# Altium PCB amp.PcbDoc (part 19 of 20)
Units mm, origin at the board's own origin, x right, y up, seen from the top; angles counter-clockwise.
Board outline 210 x 210 mm, 2 copper layers (Top Layer, Bottom Layer); 742 components, 1354 nets, 6402 pads, 5154 vias.
Unrouted connection lines stored in the file: 702.
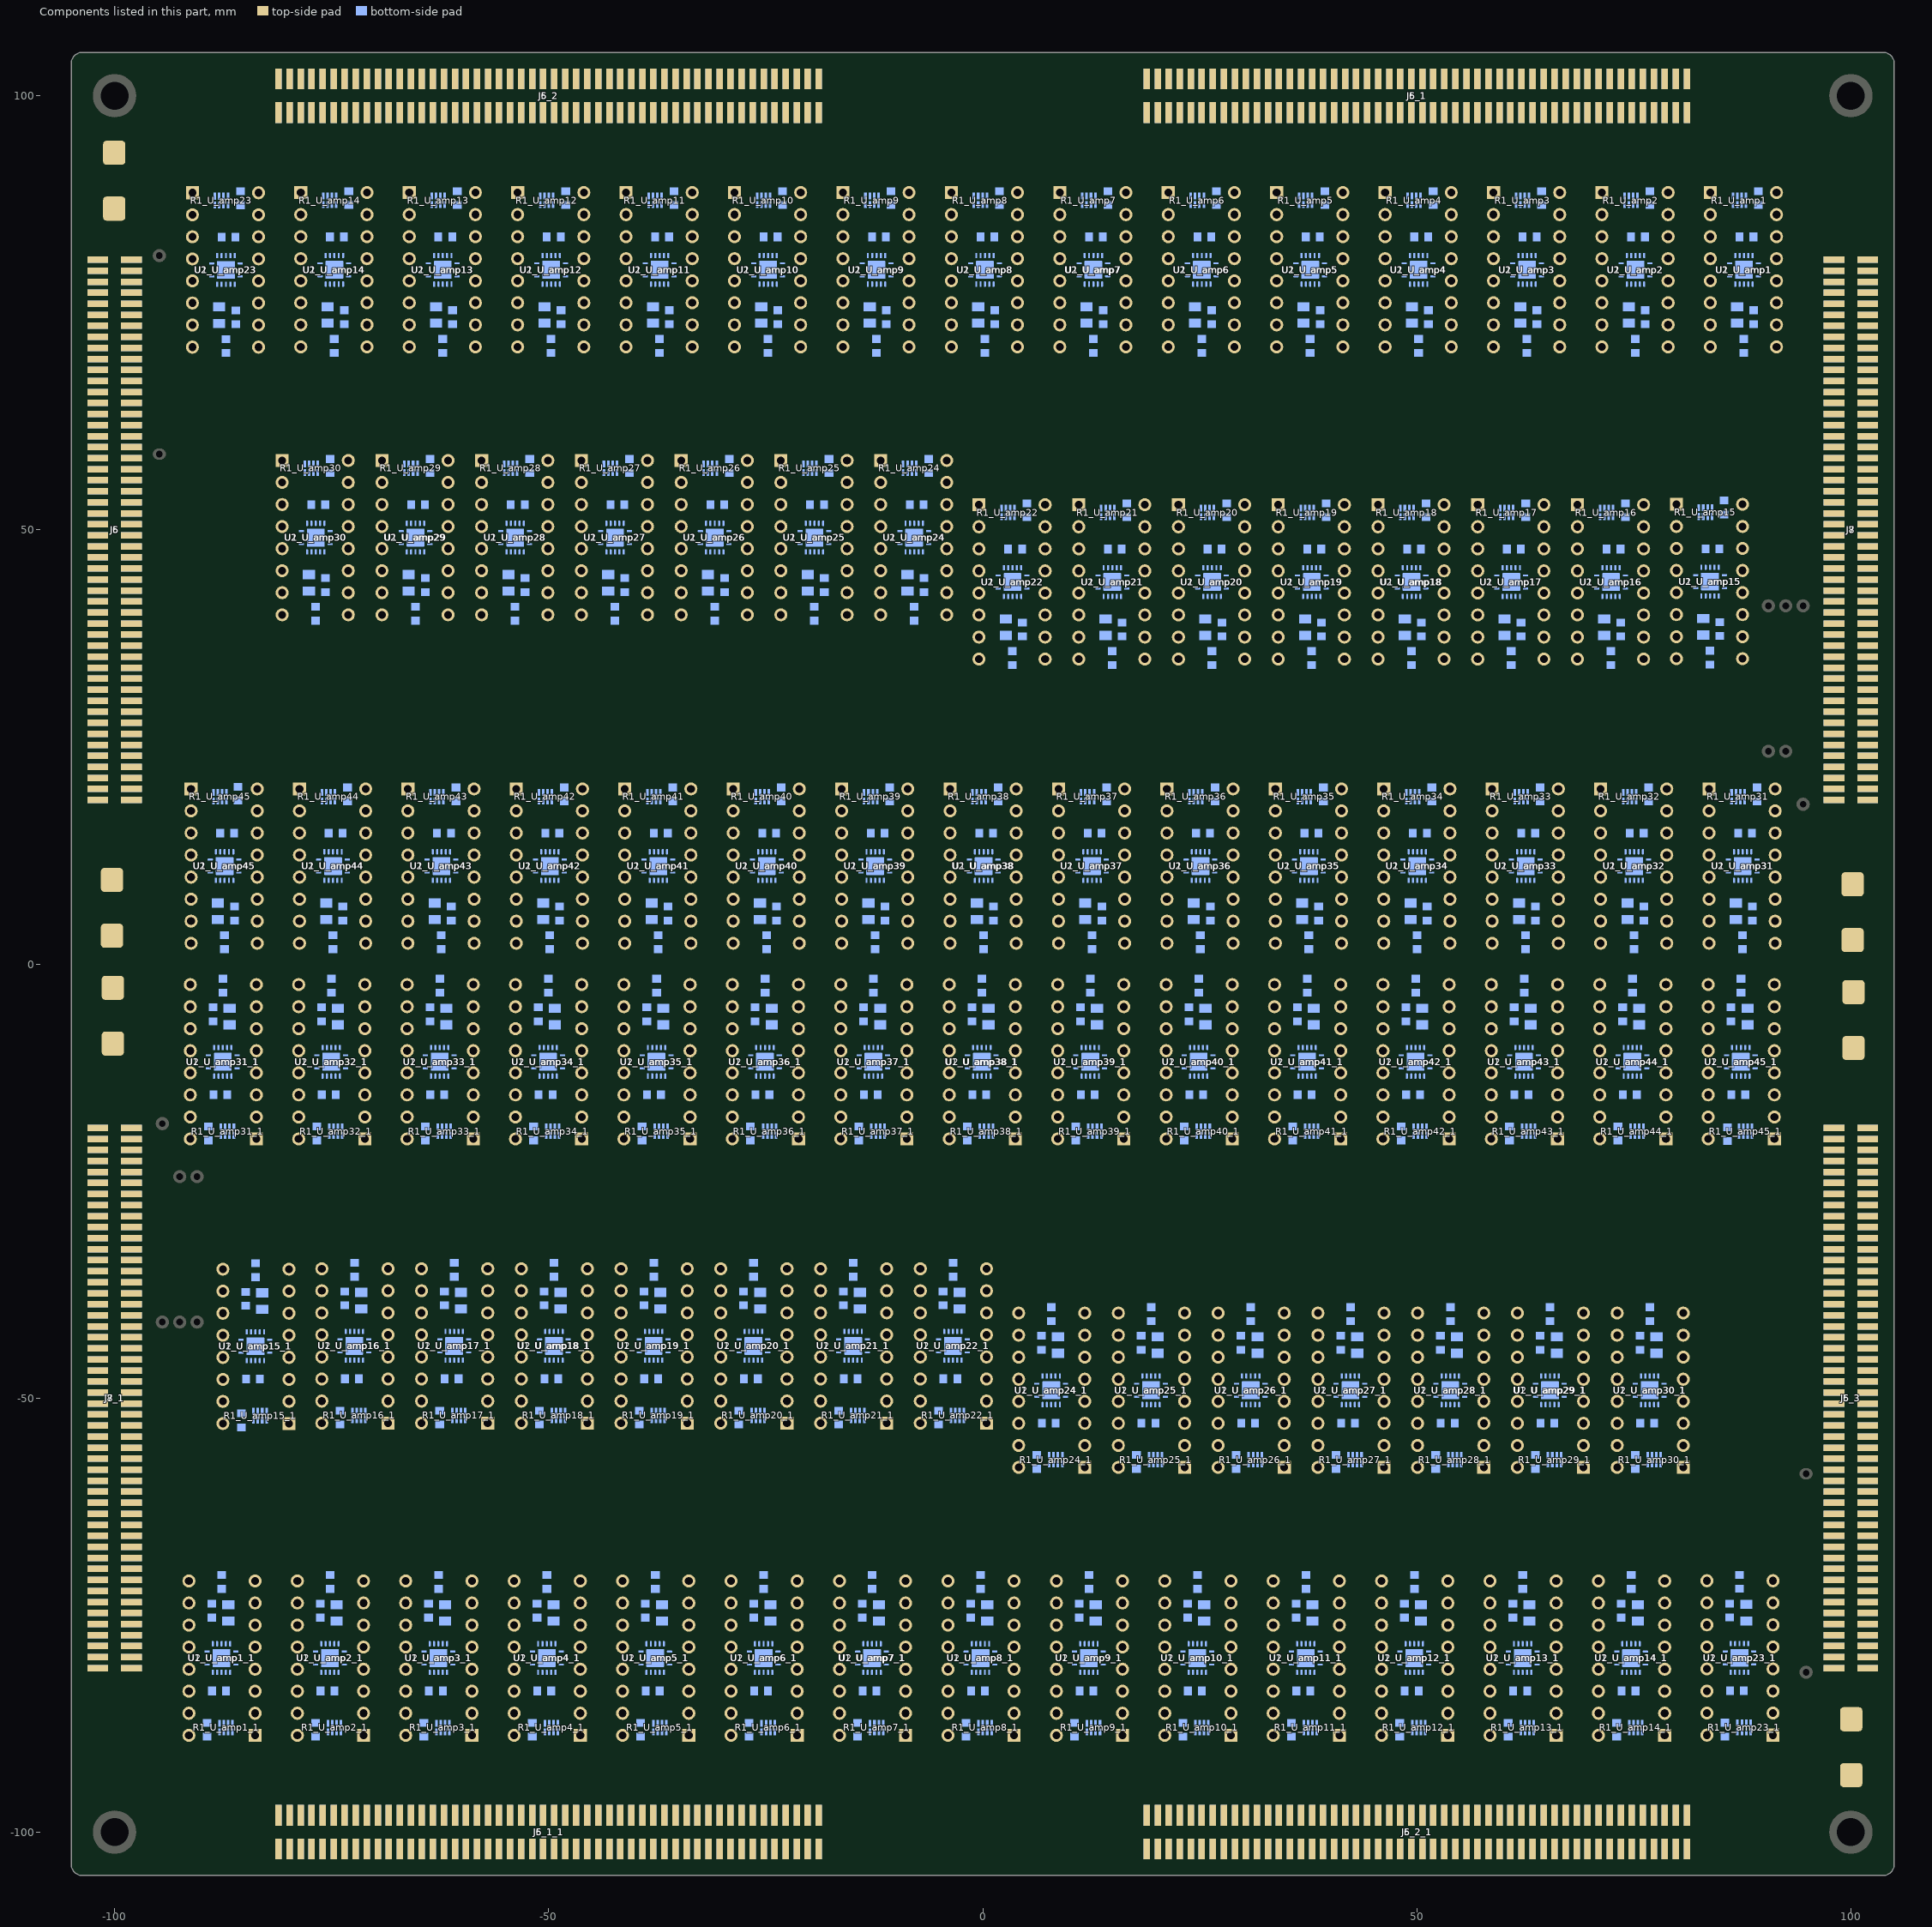
[diagram p19: the components of this part, seen from the top]

## Via types
v1: diameter 0.6, hole 0.3, Top Layer to Bottom Layer, tented both sides, 4704 vias
v2: diameter 0.5, hole 0.3, Top Layer to Bottom Layer, 450 vias

## Nets (pads, with @x,y where several pads share a name; then routed paths per layer and width w, separated by ;. In a path a pad name is that pad's centre, name@x,y a point inside that pad or via, vN(x,y) a via of type N, cw(c..) or ccw(c..) an arc to the next point about the centre after c; other vN are vias at no path point) (continued)
pads on no net: J5_1.1 J5_1.2 J5_1.3 J5_1.4 J5_1.5 J5_1.6 J5_1.7 J5_1.8 J5_1.9 J5_1.10 J5_1.11 J5_1.12 J5_1.13 J5_1.14 J5_1.15 J5_1.16 J5_1.17 J5_1.18 J5_1.19 J5_1.20 J5_1.21 J5_1.22 J5_1.23 J5_1.24 J5_1.25 J5_1.26 J5_1.27 J5_1.28 J5_1.29 J5_1.30 J5_1.31 J5_1.32 J5_1.33 J5_1.34 J5_1.35 J5_1.36 J5_1.37 J5_1.38 J5_1.39 J5_1.40 J5_1.41 J5_1.42 J5_1.43 J5_1.44 J5_1.45 J5_1.46 J5_1.47 J5_1.48 J5_1.49 J5_1.50 J5_1.51 J5_1.52 J5_1.53 J5_1.54 J5_1.55 J5_1.56 J5_1.57 J5_1.58 J5_1.59 J5_1.60 J5_1.61 J5_1.62 J5_1.63 J5_1.64 J5_1.65 J5_1.66 J5_1.67 J5_1.68 J5_1.69 J5_1.70 J5_1.71 J5_1.72 J5_1.73 J5_1.74 J5_1.75 J5_1.76 J5_1.77 J5_1.78 J5_1.79 J5_1.80 J5_1.81 J5_1.82 J5_1.83 J5_1.84 J5_1.85 J5_1.86 J5_1.87 J5_1.88 J5_1.89 J5_1.90 J5_1.91 J5_1.92 J5_1.93 J5_1.94 J5_1.95 J5_1.96 J5_1.97 J5_1.98 J5_1.99 J5_1.100 J5_1_1.1 J5_1_1.2 J5_1_1.3 J5_1_1.4 J5_1_1.5 J5_1_1.6 J5_1_1.7 J5_1_1.8 J5_1_1.9 J5_1_1.10 J5_1_1.11 J5_1_1.12 J5_1_1.13 J5_1_1.14 J5_1_1.15 J5_1_1.16 J5_1_1.17 J5_1_1.18 J5_1_1.19 J5_1_1.20 J5_1_1.21 J5_1_1.22 J5_1_1.23 J5_1_1.24 J5_1_1.25 J5_1_1.26 J5_1_1.27 J5_1_1.28 J5_1_1.29 J5_1_1.30 J5_1_1.31 J5_1_1.32 J5_1_1.33 J5_1_1.34 J5_1_1.35 J5_1_1.36 J5_1_1.37 J5_1_1.38 J5_1_1.39 J5_1_1.40 J5_1_1.41 J5_1_1.42 J5_1_1.43 J5_1_1.44 J5_1_1.45 J5_1_1.46 J5_1_1.47 J5_1_1.48 J5_1_1.49 J5_1_1.50 J5_1_1.51 J5_1_1.52 J5_1_1.53 J5_1_1.54 J5_1_1.55 J5_1_1.56 J5_1_1.57 J5_1_1.58 J5_1_1.59 J5_1_1.60 J5_1_1.61 J5_1_1.62 J5_1_1.63 J5_1_1.64 J5_1_1.65 J5_1_1.66 J5_1_1.67 J5_1_1.68 J5_1_1.69 J5_1_1.70 J5_1_1.71 J5_1_1.72 J5_1_1.73 J5_1_1.74 J5_1_1.75 J5_1_1.76 J5_1_1.77 J5_1_1.78 J5_1_1.79 J5_1_1.80 J5_1_1.81 J5_1_1.82 J5_1_1.83 J5_1_1.84 J5_1_1.85 J5_1_1.86 J5_1_1.87 J5_1_1.88 J5_1_1.89 J5_1_1.90 J5_1_1.91 J5_1_1.92 J5_1_1.93 J5_1_1.94 J5_1_1.95 J5_1_1.96 J5_1_1.97 J5_1_1.98 J5_1_1.99 J5_1_1.100 J5_2.1 J5_2.2 J5_2.3 J5_2.4 J5_2.5 J5_2.6 J5_2.7 J5_2.8 J5_2.9 J5_2.10 J5_2.11 J5_2.12 J5_2.13 J5_2.14 J5_2.15 J5_2.16 J5_2.17 J5_2.18 J5_2.19 J5_2.20 J5_2.21 J5_2.22 J5_2.23 J5_2.24 J5_2.25 J5_2.26 J5_2.27 J5_2.28 J5_2.29 J5_2.30 J5_2.31 J5_2.32 J5_2.33 J5_2.34 J5_2.35 J5_2.36 J5_2.37 J5_2.38 J5_2.39 J5_2.40 J5_2.41 J5_2.42 J5_2.43 J5_2.44 J5_2.45 J5_2.46 J5_2.47 J5_2.48 J5_2.49 J5_2.50 J5_2.51 J5_2.52 J5_2.53 J5_2.54 J5_2.55 J5_2.56 J5_2.57 J5_2.58 J5_2.59 J5_2.60 J5_2.61 J5_2.62 J5_2.63 J5_2.64 J5_2.65 J5_2.66 J5_2.67 J5_2.68 J5_2.69 J5_2.70 J5_2.71 J5_2.72 J5_2.73 J5_2.74 J5_2.75 J5_2.76 J5_2.77 J5_2.78 J5_2.79 J5_2.80 J5_2.81 J5_2.82 J5_2.83 J5_2.84 J5_2.85 J5_2.86 J5_2.87 J5_2.88 J5_2.89 J5_2.90 J5_2.91 J5_2.92 J5_2.93 J5_2.94 J5_2.95 J5_2.96 J5_2.97 J5_2.98 J5_2.99 J5_2.100 J5_2_1.1 J5_2_1.2 J5_2_1.3 J5_2_1.4 J5_2_1.5 J5_2_1.6 J5_2_1.7 J5_2_1.8 J5_2_1.9 J5_2_1.10 J5_2_1.11 J5_2_1.12 J5_2_1.13 J5_2_1.14 J5_2_1.15 J5_2_1.16 J5_2_1.17 J5_2_1.18 J5_2_1.19 J5_2_1.20 J5_2_1.21 J5_2_1.22 J5_2_1.23 J5_2_1.24 J5_2_1.25 J5_2_1.26 J5_2_1.27 J5_2_1.28 J5_2_1.29 J5_2_1.30 J5_2_1.31 J5_2_1.32 J5_2_1.33 J5_2_1.34 J5_2_1.35 J5_2_1.36 J5_2_1.37 J5_2_1.38 J5_2_1.39 J5_2_1.40 J5_2_1.41 J5_2_1.42 J5_2_1.43 J5_2_1.44 J5_2_1.45 J5_2_1.46 J5_2_1.47 J5_2_1.48 J5_2_1.49 J5_2_1.50 J5_2_1.51 J5_2_1.52 J5_2_1.53 J5_2_1.54 J5_2_1.55 J5_2_1.56 J5_2_1.57 J5_2_1.58 J5_2_1.59 J5_2_1.60 J5_2_1.61 J5_2_1.62 J5_2_1.63 J5_2_1.64 J5_2_1.65 J5_2_1.66 J5_2_1.67 J5_2_1.68 J5_2_1.69 J5_2_1.70 J5_2_1.71 J5_2_1.72 J5_2_1.73 J5_2_1.74 J5_2_1.75 J5_2_1.76 J5_2_1.77 J5_2_1.78 J5_2_1.79 J5_2_1.80 J5_2_1.81 J5_2_1.82 J5_2_1.83 J5_2_1.84 J5_2_1.85 J5_2_1.86 J5_2_1.87 J5_2_1.88 J5_2_1.89 J5_2_1.90 J5_2_1.91 J5_2_1.92 J5_2_1.93 J5_2_1.94 J5_2_1.95 J5_2_1.96 J5_2_1.97 J5_2_1.98 J5_2_1.99 J5_2_1.100 J6_1.1 J6_1.2 J6_1.3 J6_1.4 J6_1.5 J6_1.6 J6_1.7 J6_1.8 J6_1.9 J6_1.10 J6_1.11 J6_1.12 J6_1.13 J6_1.14 J6_1.15 J6_1.16 J6_1.17 J6_1.18 J6_1.19 J6_1.20 J6_1.21 J6_1.22 J6_1.23 J6_1.24 J6_1.25 J6_1.26 J6_1.27 J6_1.28 J6_1.29 J6_1.30 J6_1.31 J6_1.32 J6_1.33 J6_1.34 J6_1.35 J6_1.36 J6_1.37 J6_1.38 J6_1.39 J6_1.40 J6_1.41 J6_1.42 J6_1.43 J6_1.44 J6_1.45 J6_1.46 J6_1.47 J6_1.48 J6_1.49 J6_1.50 J6_1.51 J6_1.52 J6_1.53 J6_1.54 J6_1.55 J6_1.56 J6_1.57 J6_1.58 J6_1.59 J6_1.60 J6_1.61 J6_1.62 J6_1.63 J6_1.64 J6_1.65 J6_1.66 J6_1.67 J6_1.68 J6_1.69 J6_1.70 J6_1.71 J6_1.72 J6_1.73 J6_1.74 J6_1.75 J6_1.76 J6_1.77 J6_1.78 J6_1.79 J6_1.80 J6_1.81 J6_1.82 J6_1.83 J6_1.84 J6_1.85 J6_1.86 J6_1.87 J6_1.88 J6_1.89 J6_1.90 J6_1.91 J6_1.92 J6_1.93 J6_1.94 J6_1.95 J6_1.96 J6_1.97 J6_1.98 J6_1.99 J6_1.100 J6_1_1.1 J6_1_1.2 J6_1_1.3 J6_1_1.4 J6_1_1.5 J6_1_1.6 J6_1_1.7 J6_1_1.8 J6_1_1.9 J6_1_1.10 J6_1_1.11 J6_1_1.12 J6_1_1.13 J6_1_1.14 J6_1_1.15 J6_1_1.16 J6_1_1.17 J6_1_1.18 J6_1_1.19 J6_1_1.20 J6_1_1.21 J6_1_1.22 J6_1_1.23 J6_1_1.24 J6_1_1.25 J6_1_1.26 J6_1_1.27 J6_1_1.28 J6_1_1.29 J6_1_1.30 J6_1_1.31 J6_1_1.32 J6_1_1.33 J6_1_1.34 J6_1_1.35 J6_1_1.36 J6_1_1.37 J6_1_1.38 J6_1_1.39 J6_1_1.40 J6_1_1.41 J6_1_1.42 J6_1_1.43 J6_1_1.44 J6_1_1.45 J6_1_1.46 J6_1_1.47 J6_1_1.48 J6_1_1.49 J6_1_1.50 J6_1_1.51 J6_1_1.52 J6_1_1.53 J6_1_1.54 J6_1_1.55 J6_1_1.56 J6_1_1.57 J6_1_1.58 J6_1_1.59 J6_1_1.60 J6_1_1.61 J6_1_1.62 J6_1_1.63 J6_1_1.64 J6_1_1.65 J6_1_1.66 J6_1_1.67 J6_1_1.68 J6_1_1.69 J6_1_1.70 J6_1_1.71 J6_1_1.72 J6_1_1.73 J6_1_1.74 J6_1_1.75 J6_1_1.76 J6_1_1.77 J6_1_1.78 J6_1_1.79 J6_1_1.80 J6_1_1.81 J6_1_1.82 J6_1_1.83 J6_1_1.84 J6_1_1.85 J6_1_1.86 J6_1_1.87 J6_1_1.88 J6_1_1.89 J6_1_1.90 J6_1_1.91 J6_1_1.92 J6_1_1.93 J6_1_1.94 J6_1_1.95 J6_1_1.96 J6_1_1.97 J6_1_1.98 J6_1_1.99 J6_1_1.100 J6_2.1 J6_2.2 J6_2.3 J6_2.4 J6_2.5 J6_2.6 J6_2.7 J6_2.8 J6_2.9 J6_2.10 J6_2.11 J6_2.12 J6_2.13 J6_2.14 J6_2.15 J6_2.16 J6_2.17 J6_2.18 J6_2.19 J6_2.20 J6_2.21 J6_2.22 J6_2.23 J6_2.24 J6_2.25 J6_2.26 J6_2.27 J6_2.28 J6_2.29 J6_2.30 J6_2.31 J6_2.32 J6_2.33 J6_2.34 J6_2.35 J6_2.36 J6_2.37 J6_2.38 J6_2.39 J6_2.40 J6_2.41 J6_2.42 J6_2.43 J6_2.44 J6_2.45 J6_2.46 J6_2.47 J6_2.48 J6_2.49 J6_2.50 J6_2.51 J6_2.52 J6_2.53 J6_2.54 J6_2.55 J6_2.56 J6_2.57 J6_2.58 J6_2.59 J6_2.60 J6_2.61 J6_2.62 J6_2.63 J6_2.64 J6_2.65 J6_2.66 J6_2.67 J6_2.68 J6_2.69 J6_2.70 J6_2.71 J6_2.72 J6_2.73 J6_2.74 J6_2.75 J6_2.76 J6_2.77 J6_2.78 J6_2.79 J6_2.80 J6_2.81 J6_2.82 J6_2.83 J6_2.84 J6_2.85 J6_2.86 J6_2.87 J6_2.88 J6_2.89 J6_2.90 J6_2.91 J6_2.92 J6_2.93 J6_2.94 J6_2.95 J6_2.96 J6_2.97 J6_2.98 J6_2.99 J6_2.100 J6_2_1.1 J6_2_1.2 J6_2_1.3 J6_2_1.4 J6_2_1.5 J6_2_1.6 J6_2_1.7 J6_2_1.8 J6_2_1.9 J6_2_1.10 J6_2_1.11 J6_2_1.12 J6_2_1.13 J6_2_1.14 J6_2_1.15 J6_2_1.16 J6_2_1.17 J6_2_1.18 J6_2_1.19 J6_2_1.20 J6_2_1.21 J6_2_1.22 J6_2_1.23 J6_2_1.24 J6_2_1.25 J6_2_1.26 J6_2_1.27 J6_2_1.28 J6_2_1.29 J6_2_1.30 J6_2_1.31 J6_2_1.32 J6_2_1.33 J6_2_1.34 J6_2_1.35 J6_2_1.36 J6_2_1.37 J6_2_1.38 J6_2_1.39 J6_2_1.40 J6_2_1.41 J6_2_1.42 J6_2_1.43 J6_2_1.44 J6_2_1.45 J6_2_1.46 J6_2_1.47 J6_2_1.48 J6_2_1.49 J6_2_1.50 J6_2_1.51 J6_2_1.52 J6_2_1.53 J6_2_1.54 J6_2_1.55 J6_2_1.56 J6_2_1.57 J6_2_1.58 J6_2_1.59 J6_2_1.60 J6_2_1.61 J6_2_1.62 J6_2_1.63 J6_2_1.64 J6_2_1.65 J6_2_1.66 J6_2_1.67 J6_2_1.68 J6_2_1.69 J6_2_1.70 J6_2_1.71 J6_2_1.72 J6_2_1.73 J6_2_1.74 J6_2_1.75 J6_2_1.76 J6_2_1.77 J6_2_1.78 J6_2_1.79 J6_2_1.80 J6_2_1.81 J6_2_1.82 J6_2_1.83 J6_2_1.84 J6_2_1.85 J6_2_1.86 J6_2_1.87 J6_2_1.88 J6_2_1.89 J6_2_1.90 J6_2_1.91 J6_2_1.92 J6_2_1.93 J6_2_1.94 J6_2_1.95 J6_2_1.96 J6_2_1.97 J6_2_1.98 J6_2_1.99 J6_2_1.100 U1_U_amp1.15@87.127,79.395 U1_U_amp1.15@87.127,80.515 U1_U_amp1.15@88.248,79.395 U1_U_amp1.15@88.248,80.515 U1_U_amp1_1.15@-87.127,-79.395 U1_U_amp1_1.15@-87.127,-80.515 U1_U_amp1_1.15@-88.248,-79.395 U1_U_amp1_1.15@-88.248,-80.515 U1_U_amp2.15@74.637,79.395 U1_U_amp2.15@74.637,80.515 U1_U_amp2.15@75.757,79.395 U1_U_amp2.15@75.757,80.515 U1_U_amp2_1.15@-74.637,-79.395 U1_U_amp2_1.15@-74.637,-80.515 U1_U_amp2_1.15@-75.757,-79.395 U1_U_amp2_1.15@-75.757,-80.515 U1_U_amp3.15@62.147,79.395 U1_U_amp3.15@62.147,80.515 U1_U_amp3.15@63.267,79.395 U1_U_amp3.15@63.267,80.515 U1_U_amp3_1.15@-62.147,-79.395 U1_U_amp3_1.15@-62.147,-80.515 U1_U_amp3_1.15@-63.267,-79.395 U1_U_amp3_1.15@-63.267,-80.515 U1_U_amp4.15@49.657,79.395 U1_U_amp4.15@49.657,80.515 U1_U_amp4.15@50.777,79.395 U1_U_amp4.15@50.777,80.515 U1_U_amp4_1.15@-49.657,-79.395 U1_U_amp4_1.15@-49.657,-80.515 U1_U_amp4_1.15@-50.777,-79.395 U1_U_amp4_1.15@-50.777,-80.515 U1_U_amp5.15@37.167,79.395 U1_U_amp5.15@37.167,80.515 U1_U_amp5.15@38.287,79.395 U1_U_amp5.15@38.287,80.515 U1_U_amp5_1.15@-37.167,-79.395 U1_U_amp5_1.15@-37.167,-80.515 U1_U_amp5_1.15@-38.287,-79.395 U1_U_amp5_1.15@-38.287,-80.515 U1_U_amp6.15@24.676,79.395 U1_U_amp6.15@24.676,80.515 U1_U_amp6.15@25.796,79.395 U1_U_amp6.15@25.796,80.515 U1_U_amp6_1.15@-24.676,-79.395 U1_U_amp6_1.15@-24.676,-80.515 U1_U_amp6_1.15@-25.796,-79.395 U1_U_amp6_1.15@-25.796,-80.515 U1_U_amp7.15@12.186,79.395 U1_U_amp7.15@12.186,80.515 U1_U_amp7.15@13.306,79.395 U1_U_amp7.15@13.306,80.515 U1_U_amp7_1.15@-12.186,-79.395 U1_U_amp7_1.15@-12.186,-80.515 U1_U_amp7_1.15@-13.306,-79.395 U1_U_amp7_1.15@-13.306,-80.515 U1_U_amp8.15@0.816,79.395 U1_U_amp8.15@0.816,80.515 U1_U_amp8.15@-0.304,79.395 U1_U_amp8.15@-0.304,80.515 U1_U_amp8_1.15@0.304,-79.395 U1_U_amp8_1.15@0.304,-80.515 U1_U_amp8_1.15@-0.816,-79.395 U1_U_amp8_1.15@-0.816,-80.515 U1_U_amp9.15@-11.674,79.395 U1_U_amp9.15@-11.674,80.515 U1_U_amp9.15@-12.794,79.395 U1_U_amp9.15@-12.794,80.515 U1_U_amp9_1.15@11.674,-79.395 U1_U_amp9_1.15@11.674,-80.515 U1_U_amp9_1.15@12.794,-79.395 U1_U_amp9_1.15@12.794,-80.515 U1_U_amp10.15@-24.164,79.395 U1_U_amp10.15@-24.164,80.515 U1_U_amp10.15@-25.284,79.395 U1_U_amp10.15@-25.284,80.515 U1_U_amp10_1.15@24.164,-79.395 U1_U_amp10_1.15@24.164,-80.515 U1_U_amp10_1.15@25.284,-79.395 U1_U_amp10_1.15@25.284,-80.515 U1_U_amp11.15@-36.654,79.395 U1_U_amp11.15@-36.654,80.515 U1_U_amp11.15@-37.775,79.395 U1_U_amp11.15@-37.775,80.515 U1_U_amp11_1.15@36.654,-79.395 U1_U_amp11_1.15@36.654,-80.515 U1_U_amp11_1.15@37.775,-79.395 U1_U_amp11_1.15@37.775,-80.515 U1_U_amp12.15@-49.145,79.395 U1_U_amp12.15@-49.145,80.515 U1_U_amp12.15@-50.265,79.395 U1_U_amp12.15@-50.265,80.515 U1_U_amp12_1.15@49.145,-79.395 U1_U_amp12_1.15@49.145,-80.515 U1_U_amp12_1.15@50.265,-79.395 U1_U_amp12_1.15@50.265,-80.515 U1_U_amp13.15@-61.635,79.395 U1_U_amp13.15@-61.635,80.515 U1_U_amp13.15@-62.755,79.395 U1_U_amp13.15@-62.755,80.515 U1_U_amp13_1.15@61.635,-79.395 U1_U_amp13_1.15@61.635,-80.515 U1_U_amp13_1.15@62.755,-79.395 U1_U_amp13_1.15@62.755,-80.515 U1_U_amp14.15@-74.125,79.395 U1_U_amp14.15@-74.125,80.515 U1_U_amp14.15@-75.245,79.395 U1_U_amp14.15@-75.245,80.515 U1_U_amp14_1.15@74.125,-79.395 U1_U_amp14_1.15@74.125,-80.515 U1_U_amp14_1.15@75.245,-79.395 U1_U_amp14_1.15@75.245,-80.515 U1_U_amp15.15@83.215,43.479 U1_U_amp15.15@83.215,44.599 U1_U_amp15.15@84.335,43.479 U1_U_amp15.15@84.335,44.599 U1_U_amp15_1.15@-83.215,-43.479 U1_U_amp15_1.15@-83.215,-44.599 U1_U_amp15_1.15@-84.335,-43.479 U1_U_amp15_1.15@-84.335,-44.599 U1_U_amp16.15@71.817,43.435 U1_U_amp16.15@71.817,44.555 U1_U_amp16.15@72.937,43.435 U1_U_amp16.15@72.937,44.555 U1_U_amp16_1.15@-71.817,-43.435 U1_U_amp16_1.15@-71.817,-44.555 U1_U_amp16_1.15@-72.937,-43.435 U1_U_amp16_1.15@-72.937,-44.555 U1_U_amp17.15@60.327,43.435 U1_U_amp17.15@60.327,44.555 U1_U_amp17.15@61.447,43.435 U1_U_amp17.15@61.447,44.555 U1_U_amp17_1.15@-60.327,-43.435 U1_U_amp17_1.15@-60.327,-44.555 U1_U_amp17_1.15@-61.447,-43.435 U1_U_amp17_1.15@-61.447,-44.555 U1_U_amp18.15@48.837,43.435 U1_U_amp18.15@48.837,44.555 U1_U_amp18.15@49.957,43.435 U1_U_amp18.15@49.957,44.555 U1_U_amp18_1.15@-48.837,-43.435 U1_U_amp18_1.15@-48.837,-44.555 U1_U_amp18_1.15@-49.957,-43.435 U1_U_amp18_1.15@-49.957,-44.555 U1_U_amp19.15@37.347,43.435 U1_U_amp19.15@37.347,44.555 U1_U_amp19.15@38.467,43.435 U1_U_amp19.15@38.467,44.555 U1_U_amp19_1.15@-37.347,-43.435 U1_U_amp19_1.15@-37.347,-44.555 U1_U_amp19_1.15@-38.467,-43.435 U1_U_amp19_1.15@-38.467,-44.555 U1_U_amp20.15@25.856,43.435 U1_U_amp20.15@25.856,44.555 U1_U_amp20.15@26.976,43.435 U1_U_amp20.15@26.976,44.555 U1_U_amp20_1.15@-25.856,-43.435 U1_U_amp20_1.15@-25.856,-44.555 U1_U_amp20_1.15@-26.976,-43.435 U1_U_amp20_1.15@-26.976,-44.555 U1_U_amp21.15@14.366,43.435 U1_U_amp21.15@14.366,44.555 U1_U_amp21.15@15.486,43.435 U1_U_amp21.15@15.486,44.555 U1_U_amp21_1.15@-14.366,-43.435 U1_U_amp21_1.15@-14.366,-44.555 U1_U_amp21_1.15@-15.486,-43.435 U1_U_amp21_1.15@-15.486,-44.555 U1_U_amp22.15@2.876,43.435 U1_U_amp22.15@2.876,44.555 U1_U_amp22.15@3.996,43.435 U1_U_amp22.15@3.996,44.555 U1_U_amp22_1.15@-2.876,-43.435 U1_U_amp22_1.15@-2.876,-44.555 U1_U_amp22_1.15@-3.996,-43.435 U1_U_amp22_1.15@-3.996,-44.555 U1_U_amp23.15@-86.614,79.375 U1_U_amp23.15@-86.614,80.495 U1_U_amp23.15@-87.734,79.375 U1_U_amp23.15@-87.734,80.495 U1_U_amp23_1.15@86.614,-79.375 U1_U_amp23_1.15@86.614,-80.495 U1_U_amp23_1.15@87.734,-79.375 U1_U_amp23_1.15@87.734,-80.495 U1_U_amp24.15@-7.33,48.541 U1_U_amp24.15@-7.33,49.661 U1_U_amp24.15@-8.45,48.541 U1_U_amp24.15@-8.45,49.661 U1_U_amp24_1.15@7.33,-48.541 U1_U_amp24_1.15@7.33,-49.661 U1_U_amp24_1.15@8.45,-48.541 U1_U_amp24_1.15@8.45,-49.661 U1_U_amp25.15@-18.82,48.541 U1_U_amp25.15@-18.82,49.661 U1_U_amp25.15@-19.94,48.541 U1_U_amp25.15@-19.94,49.661 U1_U_amp25_1.15@18.82,-48.541 U1_U_amp25_1.15@18.82,-49.661 U1_U_amp25_1.15@19.94,-48.541 U1_U_amp25_1.15@19.94,-49.661 U1_U_amp26.15@-30.31,48.541 U1_U_amp26.15@-30.31,49.661 U1_U_amp26.15@-31.43,48.541 U1_U_amp26.15@-31.43,49.661 U1_U_amp26_1.15@30.31,-48.541 U1_U_amp26_1.15@30.31,-49.661 U1_U_amp26_1.15@31.43,-48.541 U1_U_amp26_1.15@31.43,-49.661 U1_U_amp27.15@-41.801,48.541 U1_U_amp27.15@-41.801,49.661 U1_U_amp27.15@-42.921,48.541 U1_U_amp27.15@-42.921,49.661 U1_U_amp27_1.15@41.801,-48.541 U1_U_amp27_1.15@41.801,-49.661 U1_U_amp27_1.15@42.921,-48.541 U1_U_amp27_1.15@42.921,-49.661 U1_U_amp28.15@-53.291,48.541 U1_U_amp28.15@-53.291,49.661 U1_U_amp28.15@-54.411,48.541 U1_U_amp28.15@-54.411,49.661 U1_U_amp28_1.15@53.291,-48.541 U1_U_amp28_1.15@53.291,-49.661 U1_U_amp28_1.15@54.411,-48.541 U1_U_amp28_1.15@54.411,-49.661 U1_U_amp29.15@-64.781,48.541 U1_U_amp29.15@-64.781,49.661 U1_U_amp29.15@-65.901,48.541 U1_U_amp29.15@-65.901,49.661 U1_U_amp29_1.15@64.781,-48.541 U1_U_amp29_1.15@64.781,-49.661 U1_U_amp29_1.15@65.901,-48.541 U1_U_amp29_1.15@65.901,-49.661 U1_U_amp30.15@-76.271,48.541 U1_U_amp30.15@-76.271,49.661 U1_U_amp30.15@-77.391,48.541 U1_U_amp30.15@-77.391,49.661 U1_U_amp30_1.15@76.271,-48.541 U1_U_amp30_1.15@76.271,-49.661 U1_U_amp30_1.15@77.391,-48.541 U1_U_amp30_1.15@77.391,-49.661 U1_U_amp31.15@86.975,10.708 U1_U_amp31.15@86.975,11.828 U1_U_amp31.15@88.095,10.708 U1_U_amp31.15@88.095,11.828 U1_U_amp31_1.15@-86.975,-10.708 U1_U_amp31_1.15@-86.975,-11.828 U1_U_amp31_1.15@-88.095,-10.708 U1_U_amp31_1.15@-88.095,-11.828 U1_U_amp32.15@74.485,10.708 U1_U_amp32.15@74.485,11.828 U1_U_amp32.15@75.605,10.708 U1_U_amp32.15@75.605,11.828 U1_U_amp32_1.15@-74.485,-10.708 U1_U_amp32_1.15@-74.485,-11.828 U1_U_amp32_1.15@-75.605,-10.708 U1_U_amp32_1.15@-75.605,-11.828 U1_U_amp33.15@61.995,10.708 U1_U_amp33.15@61.995,11.828 U1_U_amp33.15@63.115,10.708 U1_U_amp33.15@63.115,11.828 U1_U_amp33_1.15@-61.995,-10.708 U1_U_amp33_1.15@-61.995,-11.828 U1_U_amp33_1.15@-63.115,-10.708 U1_U_amp33_1.15@-63.115,-11.828 U1_U_amp34.15@49.504,10.708 U1_U_amp34.15@49.504,11.828 U1_U_amp34.15@50.624,10.708 U1_U_amp34.15@50.624,11.828 U1_U_amp34_1.15@-49.504,-10.708 U1_U_amp34_1.15@-49.504,-11.828 U1_U_amp34_1.15@-50.624,-10.708 U1_U_amp34_1.15@-50.624,-11.828 U1_U_amp35.15@37.014,10.708 U1_U_amp35.15@37.014,11.828 U1_U_amp35.15@38.134,10.708 U1_U_amp35.15@38.134,11.828 U1_U_amp35_1.15@-37.014,-10.708 U1_U_amp35_1.15@-37.014,-11.828 U1_U_amp35_1.15@-38.134,-10.708 U1_U_amp35_1.15@-38.134,-11.828 U1_U_amp36.15@24.524,10.708 U1_U_amp36.15@24.524,11.828 U1_U_amp36.15@25.644,10.708 U1_U_amp36.15@25.644,11.828 U1_U_amp36_1.15@-24.524,-10.708 U1_U_amp36_1.15@-24.524,-11.828 U1_U_amp36_1.15@-25.644,-10.708 U1_U_amp36_1.15@-25.644,-11.828 U1_U_amp37.15@12.034,10.708 U1_U_amp37.15@12.034,11.828 U1_U_amp37.15@13.154,10.708 U1_U_amp37.15@13.154,11.828 U1_U_amp37_1.15@-12.034,-10.708 U1_U_amp37_1.15@-12.034,-11.828 U1_U_amp37_1.15@-13.154,-10.708 U1_U_amp37_1.15@-13.154,-11.828 U1_U_amp38.15@0.664,10.708 U1_U_amp38.15@0.664,11.828 U1_U_amp38.15@-0.456,10.708 U1_U_amp38.15@-0.456,11.828 U1_U_amp38_1.15@0.456,-10.708 U1_U_amp38_1.15@0.456,-11.828 U1_U_amp38_1.15@-0.664,-10.708 U1_U_amp38_1.15@-0.664,-11.828 U1_U_amp39.15@-11.827,10.708 U1_U_amp39.15@-11.827,11.828 U1_U_amp39.15@-12.946,10.708 U1_U_amp39.15@-12.946,11.828 U1_U_amp39_1.15@11.827,-10.708 U1_U_amp39_1.15@11.827,-11.828 U1_U_amp39_1.15@12.946,-10.708 U1_U_amp39_1.15@12.946,-11.828 U1_U_amp40.15@-24.317,10.708 U1_U_amp40.15@-24.317,11.828 U1_U_amp40.15@-25.437,10.708 U1_U_amp40.15@-25.437,11.828 U1_U_amp40_1.15@24.317,-10.708 U1_U_amp40_1.15@24.317,-11.828 U1_U_amp40_1.15@25.437,-10.708 U1_U_amp40_1.15@25.437,-11.828 U1_U_amp41.15@-36.807,10.708 U1_U_amp41.15@-36.807,11.828 U1_U_amp41.15@-37.927,10.708 U1_U_amp41.15@-37.927,11.828 U1_U_amp41_1.15@36.807,-10.708 U1_U_amp41_1.15@36.807,-11.828 U1_U_amp41_1.15@37.927,-10.708 U1_U_amp41_1.15@37.927,-11.828 U1_U_amp42.15@-49.297,10.708 U1_U_amp42.15@-49.297,11.828 U1_U_amp42.15@-50.417,10.708 U1_U_amp42.15@-50.417,11.828 U1_U_amp42_1.15@49.297,-10.708 U1_U_amp42_1.15@49.297,-11.828 U1_U_amp42_1.15@50.417,-10.708 U1_U_amp42_1.15@50.417,-11.828 U1_U_amp43.15@-61.787,10.708 U1_U_amp43.15@-61.787,11.828 U1_U_amp43.15@-62.907,10.708 U1_U_amp43.15@-62.907,11.828 U1_U_amp43_1.15@61.787,-10.708 U1_U_amp43_1.15@61.787,-11.828 U1_U_amp43_1.15@62.907,-10.708 U1_U_amp43_1.15@62.907,-11.828 U1_U_amp44.15@-74.278,10.708 U1_U_amp44.15@-74.278,11.828 U1_U_amp44.15@-75.398,10.708 U1_U_amp44.15@-75.398,11.828 U1_U_amp44_1.15@74.278,-10.708 U1_U_amp44_1.15@74.278,-11.828 U1_U_amp44_1.15@75.398,-10.708 U1_U_amp44_1.15@75.398,-11.828 U1_U_amp45.15@-86.768,10.708 U1_U_amp45.15@-86.768,11.828 U1_U_amp45.15@-87.888,10.708 U1_U_amp45.15@-87.888,11.828 U1_U_amp45_1.15@86.768,-10.708 U1_U_amp45_1.15@86.768,-11.828 U1_U_amp45_1.15@87.888,-10.708 U1_U_amp45_1.15@87.888,-11.828
copper on no net:
  other v1: -81.09,-102.8 -79.82,-102.8 -78.55,-102.8 -77.28,-102.8 -76.01,-102.8 -74.74,-102.8 -73.47,-102.8 -72.2,-102.8 -70.93,-102.8 -69.66,-102.8 -68.39,-102.8 -67.12,-102.8 -65.85,-102.8 -64.58,-102.8 -63.31,-102.8 -62.04,-102.8 -60.77,-102.8 -59.5,-102.8 -58.23,-102.8 -56.96,-102.8 -55.69,-102.8 -54.42,-102.8 -53.15,-102.8 -51.88,-102.8 -50.61,-102.8 -49.34,-102.8 -48.07,-102.8 -46.8,-102.8 -45.53,-102.8 -44.26,-102.8 -42.99,-102.8 -41.72,-102.8 -40.45,-102.8 -39.18,-102.8 -37.91,-102.8 -36.64,-102.8 -35.37,-102.8 -34.1,-102.8 -32.83,-102.8 -31.56,-102.8 -30.29,-102.8 -29.02,-102.8 -27.75,-102.8 -26.48,-102.8 -25.21,-102.8 -23.94,-102.8 -22.67,-102.8 -21.4,-102.8 -20.13,-102.8 -18.86,-102.8 18.91,-102.8 20.18,-102.8 21.45,-102.8 22.72,-102.8 23.99,-102.8 25.26,-102.8 26.53,-102.8 27.8,-102.8 29.07,-102.8 30.34,-102.8 31.61,-102.8 32.88,-102.8 34.15,-102.8 35.42,-102.8 36.69,-102.8 37.96,-102.8 39.23,-102.8 40.5,-102.8 41.77,-102.8 43.04,-102.8 44.31,-102.8 45.58,-102.8 46.85,-102.8 48.12,-102.8 49.39,-102.8 50.66,-102.8 51.93,-102.8 53.2,-102.8 54.47,-102.8 55.74,-102.8 57.01,-102.8 58.28,-102.8 59.55,-102.8 60.82,-102.8 62.09,-102.8 63.36,-102.8 64.63,-102.8 65.9,-102.8 67.17,-102.8 68.44,-102.8 69.71,-102.8 70.98,-102.8 72.25,-102.8 73.52,-102.8 74.79,-102.8 76.06,-102.8 77.33,-102.8 78.6,-102.8 79.87,-102.8 81.14,-102.8 -81.14,-101.1 -79.87,-101.1 -78.6,-101.1 -77.33,-101.1 -76.06,-101.1 -74.79,-101.1 -73.52,-101.1 -72.25,-101.1 -70.98,-101.1 -69.71,-101.1 -68.44,-101.1 -67.17,-101.1 -65.9,-101.1 -64.63,-101.1 -63.36,-101.1 -62.09,-101.1 -60.82,-101.1 -59.55,-101.1 -58.28,-101.1 -57.01,-101.1 -55.74,-101.1 -54.47,-101.1 -53.2,-101.1 -51.93,-101.1 -50.66,-101.1 -49.39,-101.1 -48.12,-101.1 -46.85,-101.1 -45.58,-101.1 -44.31,-101.1 -43.04,-101.1 -41.77,-101.1 -40.5,-101.1 -39.23,-101.1 -37.96,-101.1 -36.69,-101.1 -35.42,-101.1 -34.15,-101.1 -32.88,-101.1 -31.61,-101.1 -30.34,-101.1 -29.07,-101.1 -27.8,-101.1 -26.53,-101.1 -25.26,-101.1 -23.99,-101.1 -22.72,-101.1 -21.45,-101.1 -20.18,-101.1 -18.91,-101.1 18.86,-101.1 20.13,-101.1 21.4,-101.1 22.67,-101.1 23.94,-101.1 25.21,-101.1 26.48,-101.1 27.75,-101.1 29.02,-101.1 30.29,-101.1 31.56,-101.1 32.83,-101.1 34.1,-101.1 35.37,-101.1 36.64,-101.1 37.91,-101.1 39.18,-101.1 40.45,-101.1 41.72,-101.1 42.99,-101.1 44.26,-101.1 45.53,-101.1 46.8,-101.1 48.07,-101.1 49.34,-101.1 50.61,-101.1 51.88,-101.1 53.15,-101.1 54.42,-101.1 55.69,-101.1 56.96,-101.1 58.23,-101.1 59.5,-101.1 60.77,-101.1 62.04,-101.1 63.31,-101.1 64.58,-101.1 65.85,-101.1 67.12,-101.1 68.39,-101.1 69.66,-101.1 70.93,-101.1 72.2,-101.1 73.47,-101.1 74.74,-101.1 76.01,-101.1 77.28,-101.1 78.55,-101.1 79.82,-101.1 81.09,-101.1 -81.09,-98.9 -78.55,-98.9 -77.28,-98.9 -76.01,-98.9 -74.74,-98.9 -72.2,-98.9 -70.93,-98.9 -69.66,-98.9 -68.39,-98.9 -65.85,-98.9 -64.58,-98.9 -63.31,-98.9 -62.04,-98.9 -59.5,-98.9 -58.23,-98.9 -56.96,-98.9 -55.69,-98.9 -53.15,-98.9 -51.88,-98.9 -50.61,-98.9 -49.34,-98.9 -46.8,-98.9 -45.53,-98.9 -44.26,-98.9 -42.99,-98.9 -40.45,-98.9 -39.18,-98.9 -37.91,-98.9 -36.64,-98.9 -34.1,-98.9 -32.83,-98.9 -31.56,-98.9 -30.29,-98.9 -27.75,-98.9 -26.48,-98.9 -25.21,-98.9 -23.94,-98.9 -21.4,-98.9 -20.13,-98.9 -18.86,-98.9 18.91,-98.9 21.45,-98.9 22.72,-98.9 23.99,-98.9 25.26,-98.9 27.8,-98.9 29.07,-98.9 30.34,-98.9 31.61,-98.9 34.15,-98.9 35.42,-98.9 36.69,-98.9 37.96,-98.9 40.5,-98.9 41.77,-98.9 43.04,-98.9 44.31,-98.9 46.85,-98.9 48.12,-98.9 49.39,-98.9 50.66,-98.9 53.2,-98.9 54.47,-98.9 55.74,-98.9 57.01,-98.9 59.55,-98.9 60.82,-98.9 62.09,-98.9 63.36,-98.9 65.9,-98.9 67.17,-98.9 68.44,-98.9 69.71,-98.9 72.25,-98.9 73.52,-98.9 74.79,-98.9 76.06,-98.9 78.6,-98.9 79.87,-98.9 81.14,-98.9 -79.775,-98.85 -73.525,-98.85 -67.075,-98.85 -60.825,-98.85 -54.375,-98.85 -48.125,-98.85 -41.675,-98.85 -35.425,-98.85 -28.975,-98.85 -22.725,-98.85 20.225,-98.85 26.475,-98.85 32.925,-98.85 39.175,-98.85 45.625,-98.85 51.875,-98.85 58.325,-98.85 64.575,-98.85 71.025,-98.85 77.275,-98.85 -81.14,-97.2 -78.6,-97.2 -77.33,-97.2 -76.06,-97.2 -74.79,-97.2 -72.25,-97.2 -70.98,-97.2 -69.71,-97.2 -68.44,-97.2 -65.9,-97.2 -64.63,-97.2 -63.36,-97.2 -62.09,-97.2 -59.55,-97.2 -58.28,-97.2 -57.01,-97.2 -55.74,-97.2 -53.2,-97.2 -51.93,-97.2 -50.66,-97.2 -49.39,-97.2 -46.85,-97.2 -45.58,-97.2 -44.31,-97.2 -43.04,-97.2 -40.5,-97.2 -39.23,-97.2 -37.96,-97.2 -36.69,-97.2 -34.15,-97.2 -32.88,-97.2 -31.61,-97.2 -30.34,-97.2 -27.8,-97.2 -26.53,-97.2 -25.26,-97.2 -23.99,-97.2 -21.45,-97.2 -20.18,-97.2 -18.91,-97.2 18.86,-97.2 21.4,-97.2 22.67,-97.2 23.94,-97.2 25.21,-97.2 27.75,-97.2 29.02,-97.2 30.29,-97.2 31.56,-97.2 34.1,-97.2 35.37,-97.2 36.64,-97.2 37.91,-97.2 40.45,-97.2 41.72,-97.2 42.99,-97.2 44.26,-97.2 46.8,-97.2 48.07,-97.2 49.34,-97.2 50.61,-97.2 53.15,-97.2 54.42,-97.2 55.69,-97.2 56.96,-97.2 59.5,-97.2 60.77,-97.2 62.04,-97.2 63.31,-97.2 65.85,-97.2 67.12,-97.2 68.39,-97.2 69.66,-97.2 72.2,-97.2 73.47,-97.2 74.74,-97.2 76.01,-97.2 78.55,-97.2 79.82,-97.2 81.09,-97.2 -79.825,-97.15 -73.575,-97.15 -67.125,-97.15 -60.875,-97.15 -54.425,-97.15 -48.175,-97.15 -41.725,-97.15 -35.475,-97.15 -29.025,-97.15 -22.775,-97.15 20.175,-97.15 26.425,-97.15 32.875,-97.15 39.125,-97.15 45.575,-97.15 51.825,-97.15 58.275,-97.15 64.525,-97.15 70.975,-97.15 77.225,-97.15 -77.225,97.15 -70.975,97.15 -64.525,97.15 -58.275,97.15 -51.825,97.15 -45.575,97.15 -39.125,97.15 -32.875,97.15 -26.425,97.15 -20.175,97.15 22.775,97.15 29.025,97.15 35.475,97.15 41.725,97.15 48.175,97.15 54.425,97.15 60.875,97.15 67.125,97.15 73.575,97.15 79.825,97.15 -81.09,97.2 -79.82,97.2 -78.55,97.2 -76.01,97.2 -74.74,97.2 -73.47,97.2 -72.2,97.2 -69.66,97.2 -68.39,97.2 -67.12,97.2 -65.85,97.2 -63.31,97.2 -62.04,97.2 -60.77,97.2 -59.5,97.2 -56.96,97.2 -55.69,97.2 -54.42,97.2 -53.15,97.2 -50.61,97.2 -49.34,97.2 -48.07,97.2 -46.8,97.2 -44.26,97.2 -42.99,97.2 -41.72,97.2 -40.45,97.2 -37.91,97.2 -36.64,97.2 -35.37,97.2 -34.1,97.2 -31.56,97.2 -30.29,97.2 -29.02,97.2 -27.75,97.2 -25.21,97.2 -23.94,97.2 -22.67,97.2 -21.4,97.2 -18.86,97.2 18.91,97.2 20.18,97.2 21.45,97.2 23.99,97.2 25.26,97.2 26.53,97.2 27.8,97.2 30.34,97.2 31.61,97.2 32.88,97.2 34.15,97.2 36.69,97.2 37.96,97.2 39.23,97.2 40.5,97.2 43.04,97.2 44.31,97.2 45.58,97.2 46.85,97.2 49.39,97.2 50.66,97.2 51.93,97.2 53.2,97.2 55.74,97.2 57.01,97.2 58.28,97.2 59.55,97.2 62.09,97.2 63.36,97.2 64.63,97.2 65.9,97.2 68.44,97.2 69.71,97.2 70.98,97.2 72.25,97.2 74.79,97.2 76.06,97.2 77.33,97.2 78.6,97.2 81.14,97.2 -77.275,98.85 -71.025,98.85 -64.575,98.85 -58.325,98.85 -51.875,98.85 -45.625,98.85 -39.175,98.85 -32.925,98.85 -26.475,98.85 -20.225,98.85 22.725,98.85 28.975,98.85 35.425,98.85 41.675,98.85 48.125,98.85 54.375,98.85 60.825,98.85 67.075,98.85 73.525,98.85 79.775,98.85 -81.14,98.9 -79.87,98.9 -78.6,98.9 -76.06,98.9 -74.79,98.9 -73.52,98.9 -72.25,98.9 -69.71,98.9 -68.44,98.9 -67.17,98.9 -65.9,98.9 -63.36,98.9 -62.09,98.9 -60.82,98.9 -59.55,98.9 -57.01,98.9 -55.74,98.9 -54.47,98.9 -53.2,98.9 -50.66,98.9 -49.39,98.9 -48.12,98.9 -46.85,98.9 -44.31,98.9 -43.04,98.9 -41.77,98.9 -40.5,98.9 -37.96,98.9 -36.69,98.9 -35.42,98.9 -34.15,98.9 -31.61,98.9 -30.34,98.9 -29.07,98.9 -27.8,98.9 -25.26,98.9 -23.99,98.9 -22.72,98.9 -21.45,98.9 -18.91,98.9 18.86,98.9 20.13,98.9 21.4,98.9 23.94,98.9 25.21,98.9 26.48,98.9 27.75,98.9 30.29,98.9 31.56,98.9 32.83,98.9 34.1,98.9 36.64,98.9 37.91,98.9 39.18,98.9 40.45,98.9 42.99,98.9 44.26,98.9 45.53,98.9 46.8,98.9 49.34,98.9 50.61,98.9 51.88,98.9 53.15,98.9 55.69,98.9 56.96,98.9 58.23,98.9 59.5,98.9 62.04,98.9 63.31,98.9 64.58,98.9 65.85,98.9 68.39,98.9 69.66,98.9 70.93,98.9 72.2,98.9 74.74,98.9 76.01,98.9 77.28,98.9 78.55,98.9 81.09,98.9 -81.09,101.1 -79.82,101.1 -78.55,101.1 -77.28,101.1 -76.01,101.1 -74.74,101.1 -73.47,101.1 -72.2,101.1 -70.93,101.1 -69.66,101.1 -68.39,101.1 -67.12,101.1 -65.85,101.1 -64.58,101.1 -63.31,101.1 -62.04,101.1 -60.77,101.1 -59.5,101.1 -58.23,101.1 -56.96,101.1 -55.69,101.1 -54.42,101.1 -53.15,101.1 -51.88,101.1 -50.61,101.1 -49.34,101.1 -48.07,101.1 -46.8,101.1 -45.53,101.1 -44.26,101.1 -42.99,101.1 -41.72,101.1 -40.45,101.1 -39.18,101.1 -37.91,101.1 -36.64,101.1 -35.37,101.1 -34.1,101.1 -32.83,101.1 -31.56,101.1 -30.29,101.1 -29.02,101.1 -27.75,101.1 -26.48,101.1 -25.21,101.1 -23.94,101.1 -22.67,101.1 -21.4,101.1 -20.13,101.1 -18.86,101.1 18.91,101.1 20.18,101.1 21.45,101.1 22.72,101.1 23.99,101.1 25.26,101.1 26.53,101.1 27.8,101.1 29.07,101.1 30.34,101.1 31.61,101.1 32.88,101.1 34.15,101.1 35.42,101.1 36.69,101.1 37.96,101.1 39.23,101.1 40.5,101.1 41.77,101.1 43.04,101.1 44.31,101.1 45.58,101.1 46.85,101.1 48.12,101.1 49.39,101.1 50.66,101.1 51.93,101.1 53.2,101.1 54.47,101.1 55.74,101.1 57.01,101.1 58.28,101.1 59.55,101.1 60.82,101.1 62.09,101.1 63.36,101.1 64.63,101.1 65.9,101.1 67.17,101.1 68.44,101.1 69.71,101.1 70.98,101.1 72.25,101.1 73.52,101.1 74.79,101.1 76.06,101.1 77.33,101.1 78.6,101.1 79.87,101.1 81.14,101.1 -81.14,102.8 -79.87,102.8 -78.6,102.8 -77.33,102.8 -76.06,102.8 -74.79,102.8 -73.52,102.8 -72.25,102.8 -70.98,102.8 -69.71,102.8 -68.44,102.8 -67.17,102.8 -65.9,102.8 -64.63,102.8 -63.36,102.8 -62.09,102.8 -60.82,102.8 -59.55,102.8 -58.28,102.8 -57.01,102.8 -55.74,102.8 -54.47,102.8 -53.2,102.8 -51.93,102.8 -50.66,102.8 -49.39,102.8 -48.12,102.8 -46.85,102.8 -45.58,102.8 -44.31,102.8 -43.04,102.8 -41.77,102.8 -40.5,102.8 -39.23,102.8 -37.96,102.8 -36.69,102.8 -35.42,102.8 -34.15,102.8 -32.88,102.8 -31.61,102.8 -30.34,102.8 -29.07,102.8 -27.8,102.8 -26.53,102.8 -25.26,102.8 -23.99,102.8 -22.72,102.8 -21.45,102.8 -20.18,102.8 -18.91,102.8 18.86,102.8 20.13,102.8 21.4,102.8 22.67,102.8 23.94,102.8 25.21,102.8 26.48,102.8 27.75,102.8 29.02,102.8 30.29,102.8 31.56,102.8 32.83,102.8 34.1,102.8 35.37,102.8 36.64,102.8 37.91,102.8 39.18,102.8 40.45,102.8 41.72,102.8 42.99,102.8 44.26,102.8 45.53,102.8 46.8,102.8 48.07,102.8 49.34,102.8 50.61,102.8 51.88,102.8 53.15,102.8 54.42,102.8 55.69,102.8 56.96,102.8 58.23,102.8 59.5,102.8 60.77,102.8 62.04,102.8 63.31,102.8 64.58,102.8 65.85,102.8 67.12,102.8 68.39,102.8 69.66,102.8 70.93,102.8 72.2,102.8 73.47,102.8 74.74,102.8 76.01,102.8 77.28,102.8 78.55,102.8 79.82,102.8 81.09,102.8

## Polygon pours and split planes (outlines as drawn)
GND on Bottom Layer "Bottom Layer-No Net" (solid, pour order 27): 92.864,-13.883 92.864,-8.803 -93.191,-8.803 -93.191,-13.883
GND on Bottom Layer "Bottom Layer-No Net" (solid, pour order 21): 92.71,-82.55 92.71,-77.47 -93.345,-77.47 -93.345,-82.55
GND on Bottom Layer "Bottom Layer-No Net" (solid, pour order 8): -92.864,13.883 -92.864,8.803 93.191,8.803 93.191,13.883
GND on Bottom Layer "Bottom Layer-No Net" (solid, pour order 6): -82.144,51.608 -82.144,46.528 1.041,46.528 1.041,51.608
GND on Bottom Layer "Bottom Layer-No Net" (solid, pour order 4): -5.766,46.546 -5.766,41.466 89.002,41.466 89.002,46.546
GND on Bottom Layer "Bottom Layer-No Net" (solid, pour order 0): -92.71,82.55 -92.71,77.47 93.345,77.47 93.345,82.55
GND on Bottom Layer "Bottom Layer-No Net" (solid, pour order 23): 82.144,-51.608 82.144,-46.528 -1.041,-46.528 -1.041,-51.608
GND on Bottom Layer "Bottom Layer-No Net" (solid, pour order 25): 5.766,-46.546 5.766,-41.466 -89.002,-41.466 -89.002,-46.546
GND on Bottom Layer "Bottom Overlay-No Net" (solid, remove dead copper, pour order 35): -105,-105 105,-105 105,105 -105,105
GND on Top Layer "Bottom Overlay-No Net" (solid, remove dead copper, pour order 33): 105,105 -105,105 -105,-105 105,-105

## Silkscreen, mask and mechanical layers (free items; w line width, h text height)
Top Overlay:
  circle w1: c100,100 r3.702
  lines w0.2: -94.996,0 94.971,0 ; -95,-93.73 ccw(c-93.73,-93.73) -93.73,-95 93.73,-95 ccw(c93.73,-93.73) 95,-93.73 95,93.73 ccw(c93.73,93.73) 93.73,95 -93.73,95 ccw(c-93.73,93.73) -95,93.73 -95,-93.73
  lines w0.4: -94.882,80.569 -94.844,59.801 ; -94.539,-19.482 -94.5,-40.25 ; -92.5,-40.25 -92.5,-25.5 ; -90.5,-40.25 -90.5,-25.5 ; 90.5,25.5 90.5,40.25 ; 92.5,25.5 92.5,40.25 ; 94.5,40.25 94.539,19.482 ; 94.805,-59.664 94.844,-80.432
  text "-INPUT-" at 11.4,101.6 h7 r180
  text "„Jede hinreichend fortschrittliche Technologie ist von Magie nicht zu unterscheiden.“" at -88.9,63.4 h5.7
  text "Arthur C. Clarke, 1962" at 58,59.8 h3
  text "„Magie ist Physik durch wollen!“" at -89,-62.1 h5.7
  text "Dr. Axel Stoll, 2011" at -87.2,-65.8 h3
  text "-INPUT-" at -11.4,-101.6 h7